# Altium PCB PCB3.PcbDoc (part 1 of 2)
Units mm, origin at the board's own origin, x right, y up, seen from the top; angles counter-clockwise.
Board outline 73.53 x 117.63 mm, 4 copper layers (Top Layer, GROUND, POWER, Bottom Layer), stack 0.603 mm thick; 94 components, 78 nets, 382 pads, 160 vias.
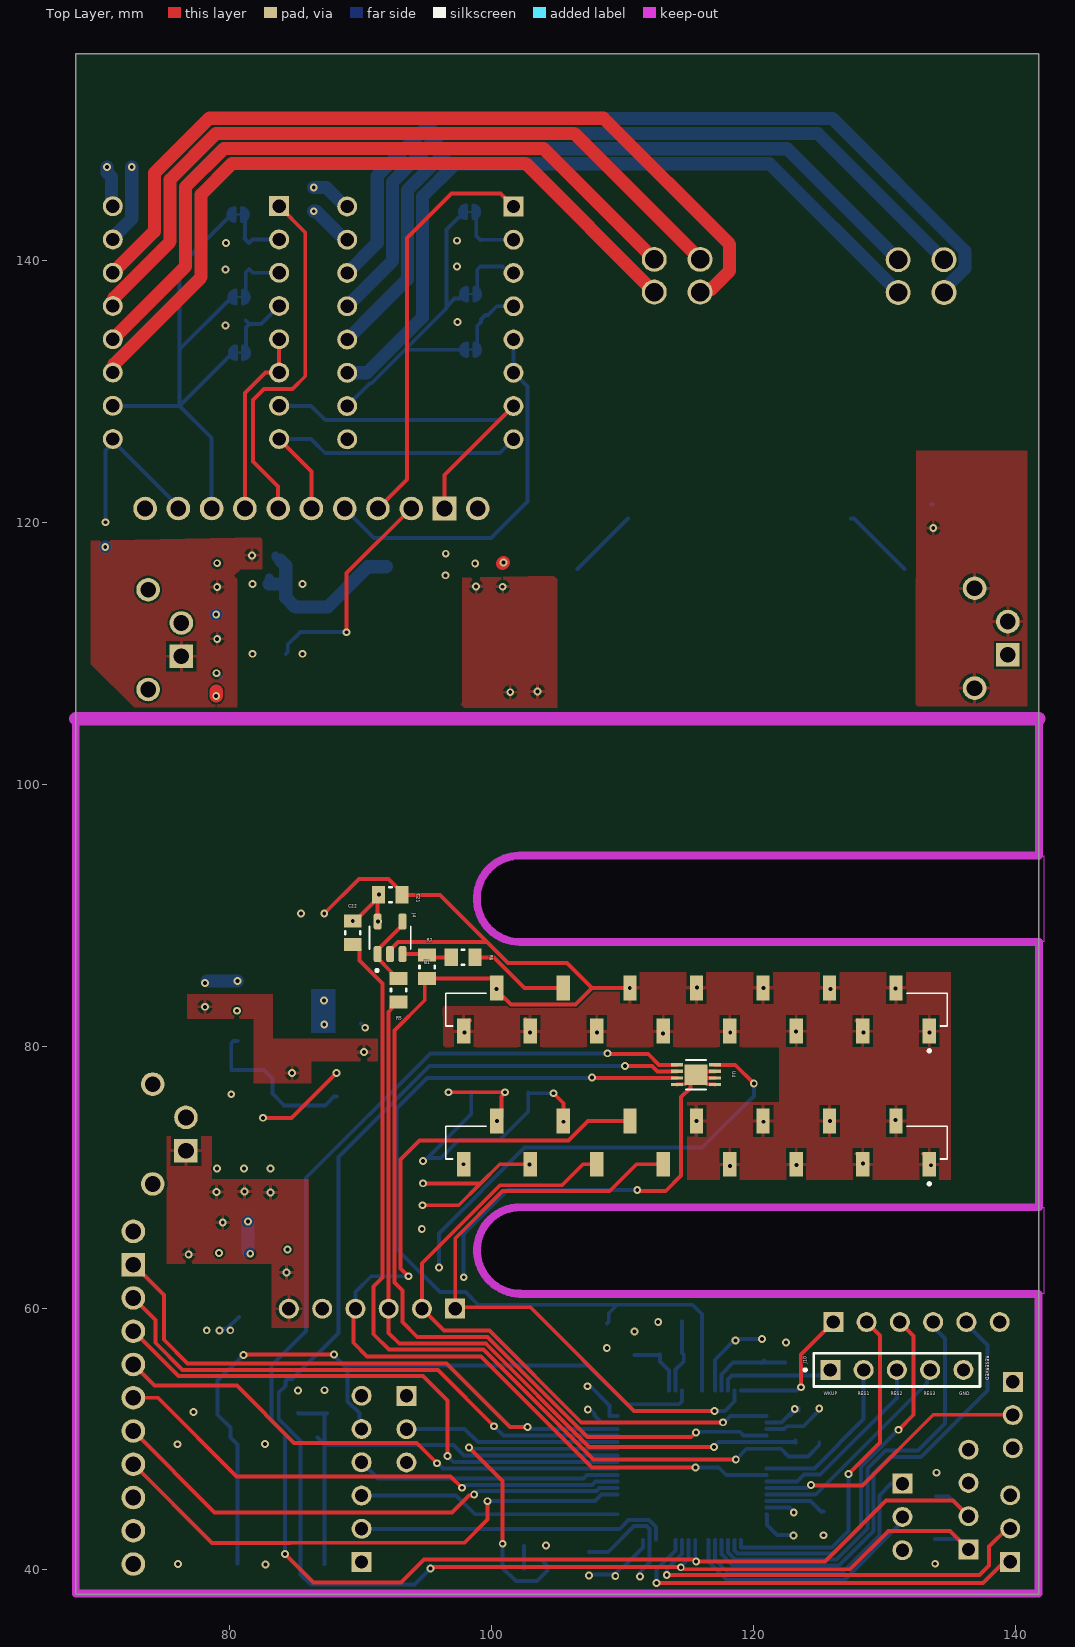
[diagram p0: Top Layer view]
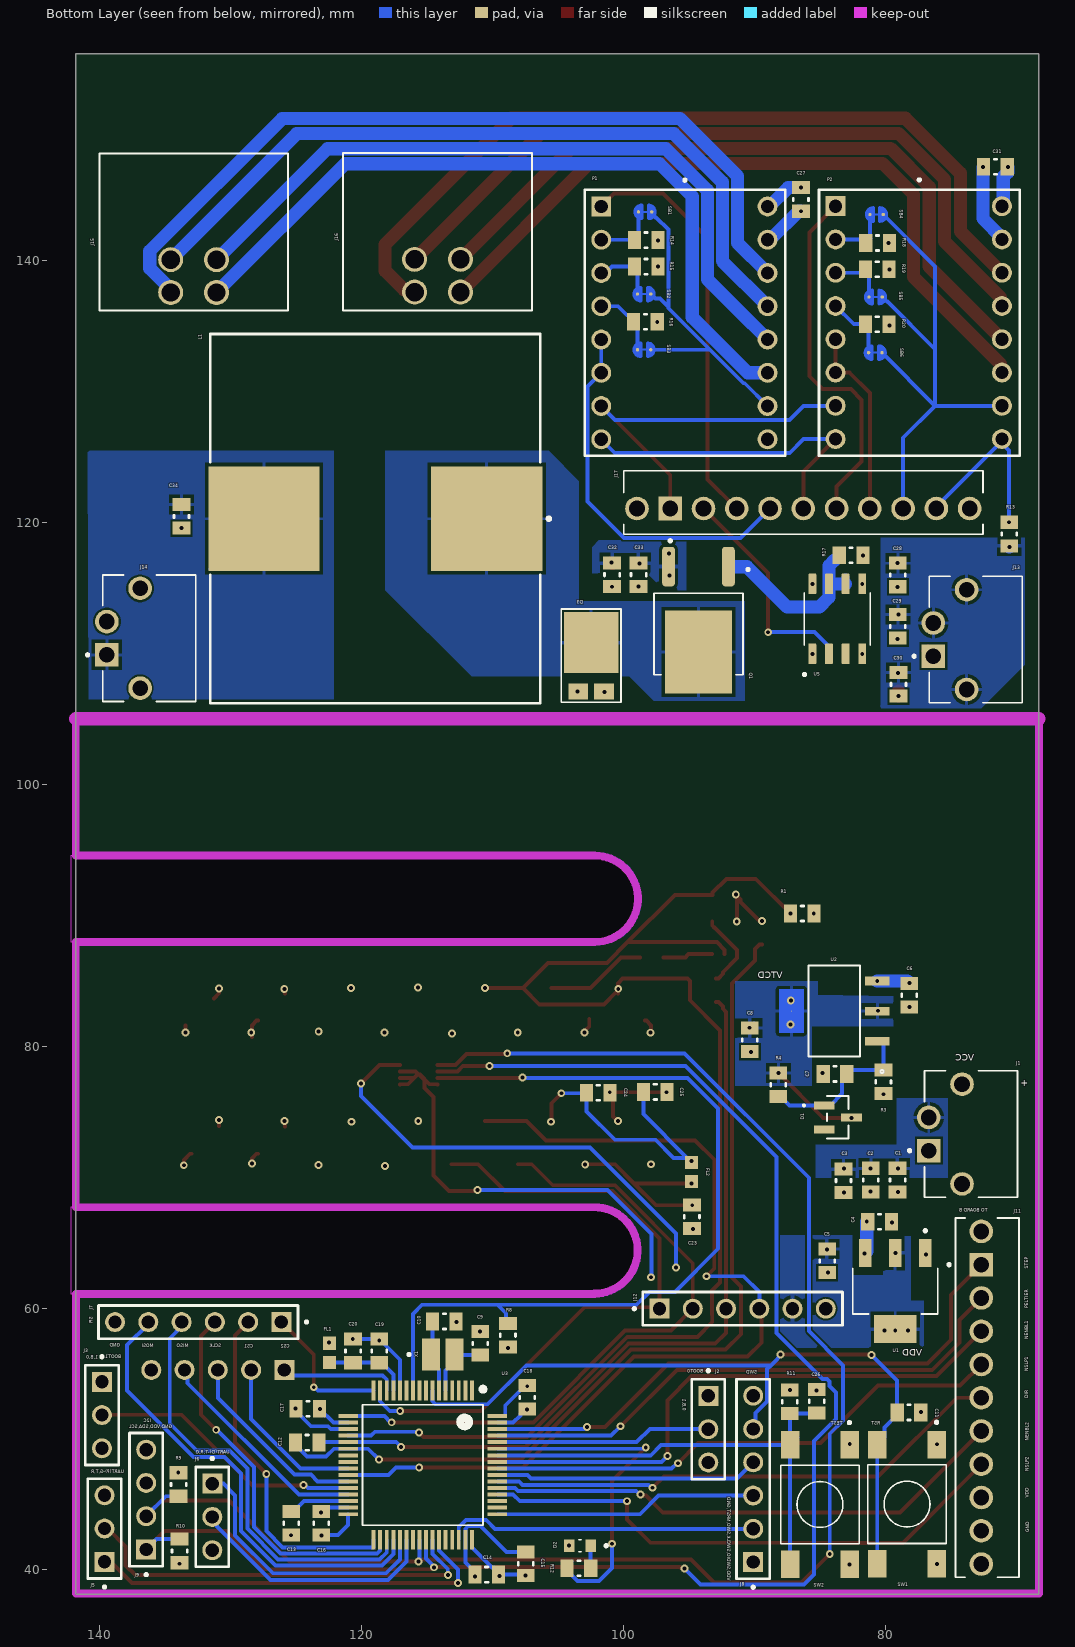
[diagram p1: Bottom Layer view, seen from below]
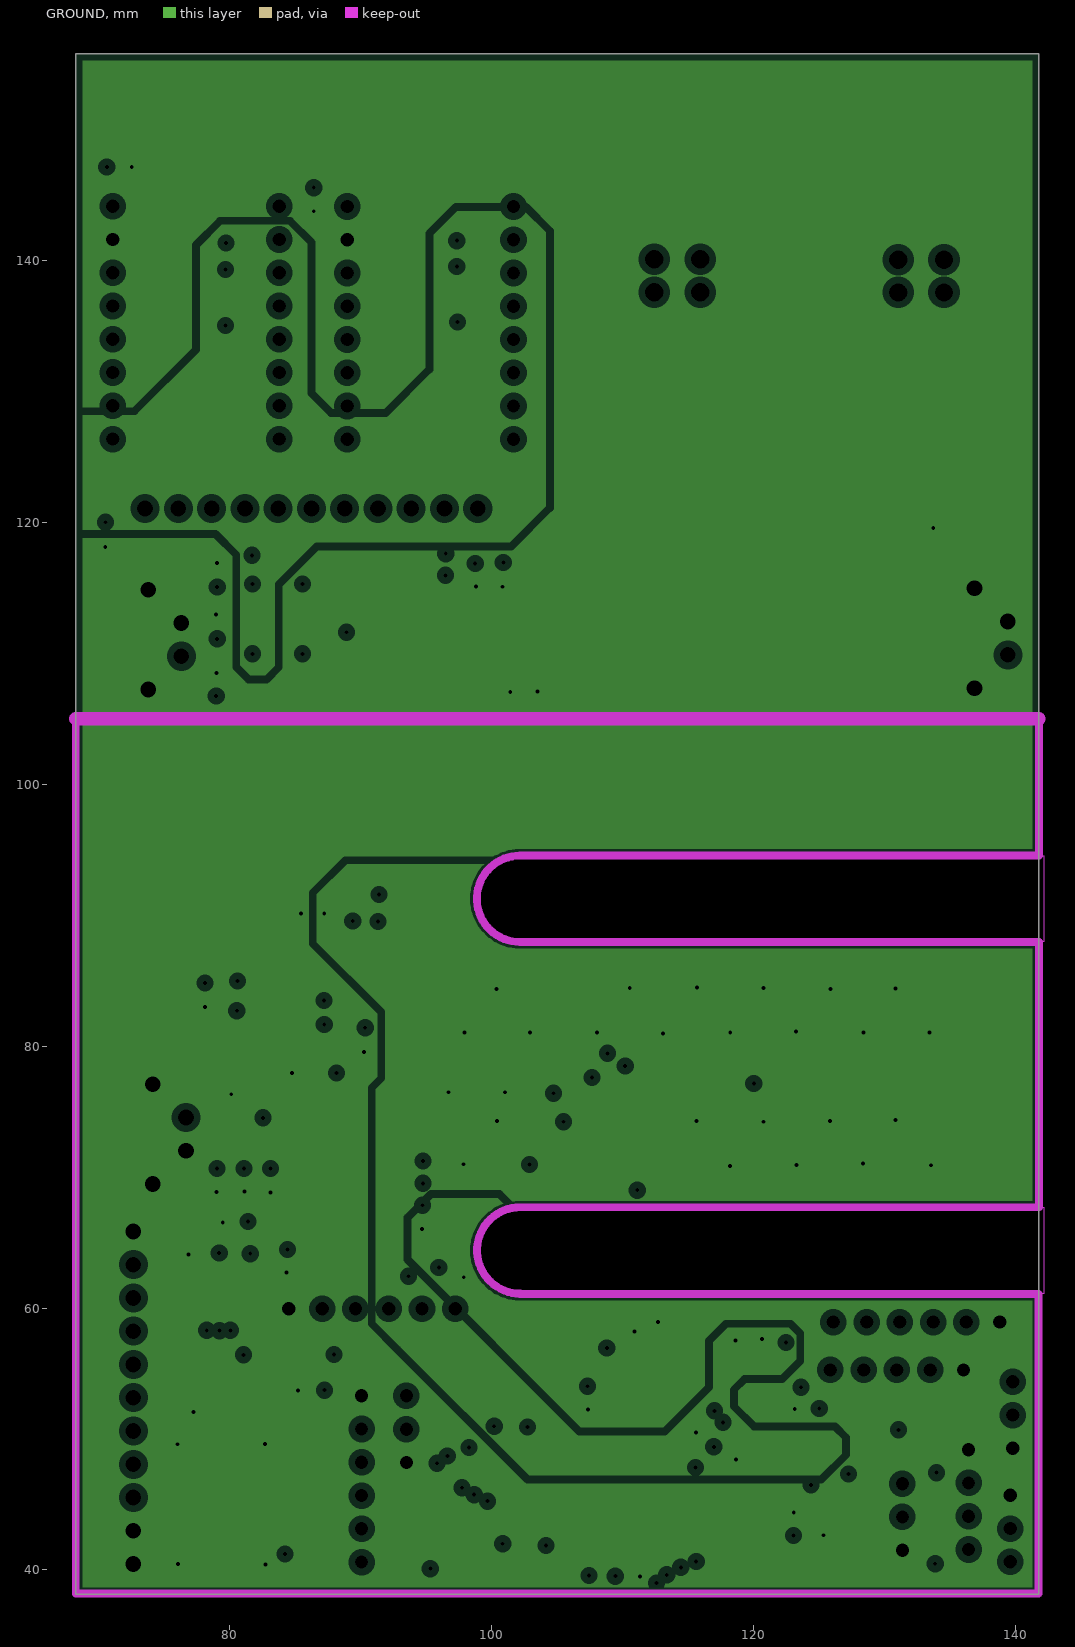
[diagram p2: GROUND, clearances drawn from the general rule]
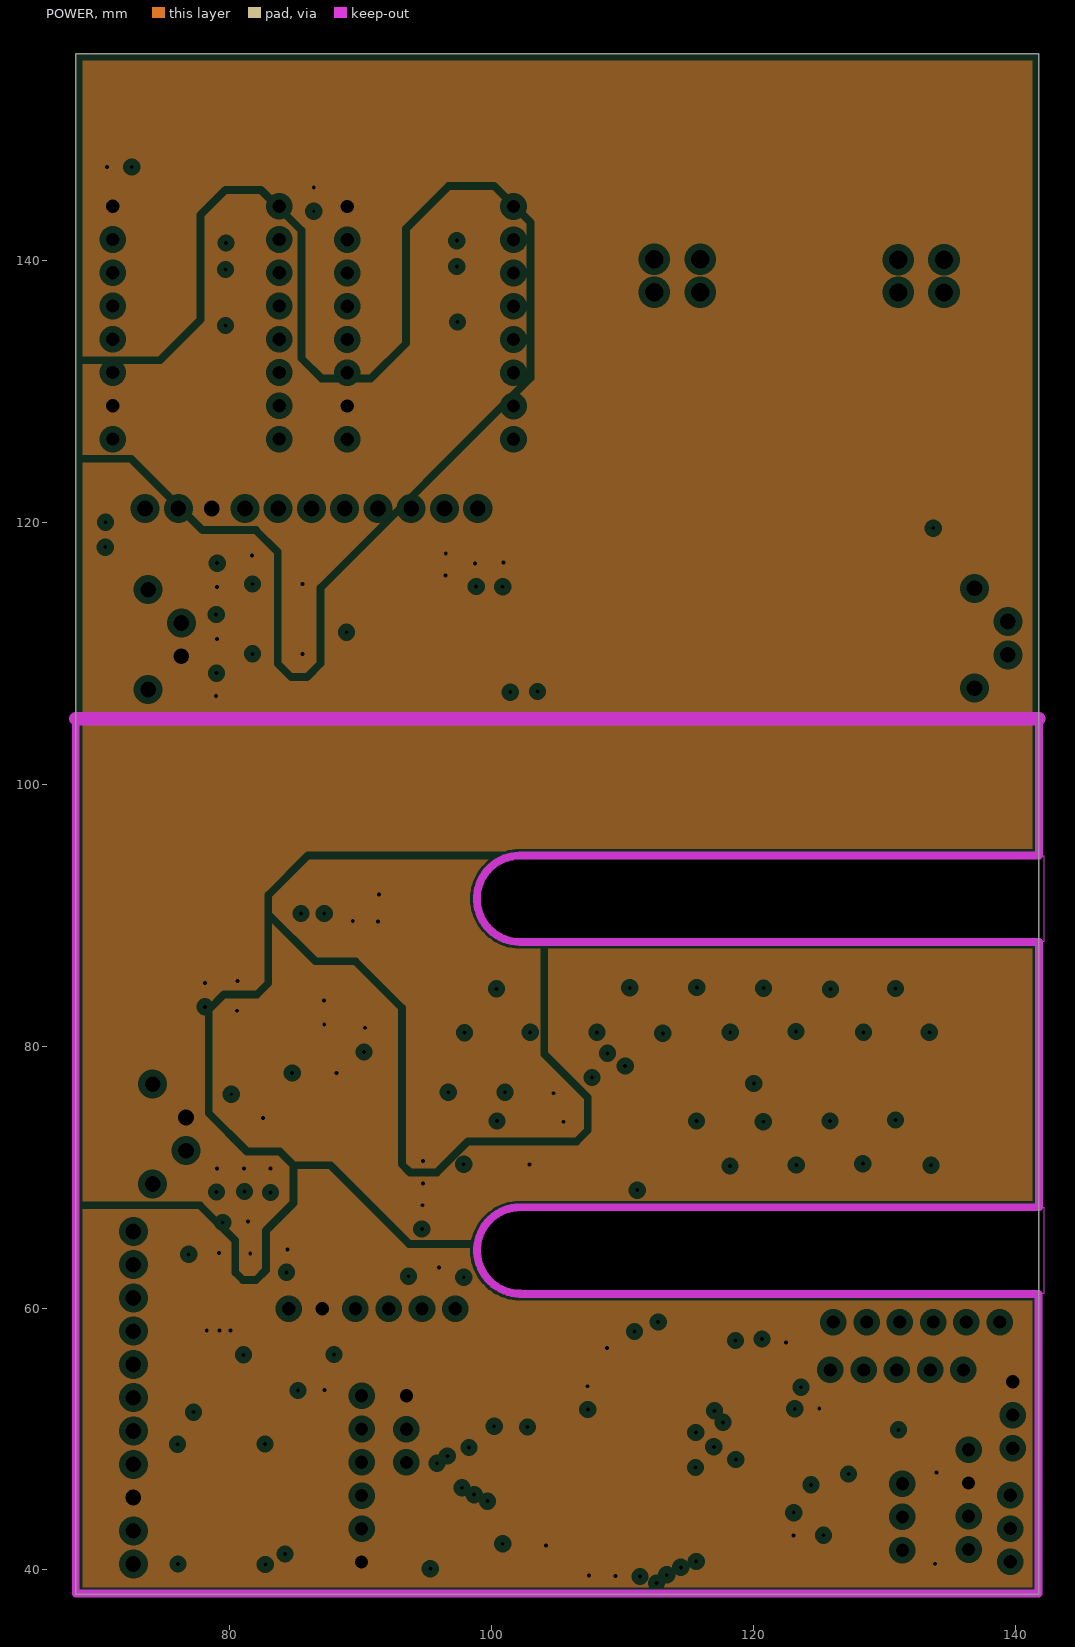
[diagram p3: POWER, clearances drawn from the general rule]

## Layer stack, top to bottom
Top Solder: solder mask 0.0102, Solder Resist, Dk 3.5
Top Layer: signal copper 0.0356
Dielectric 2: prepreg 0.0711, PP-006, Dk 4.1
GROUND: plane copper 0.035, net (Multiple Nets)
Dielectric 1: dielectric 0.32, FR-4, Dk 4.8
POWER: plane copper 0.035, net (Multiple Nets)
Dielectric 3: prepreg 0.0711, PP-006, Dk 4.1
Bottom Layer: signal copper 0.0356
Bottom Solder: solder mask 0.0102, Solder Resist, Dk 3.5

## Board outline
68.267,38.145 141.8,38.145 141.8,155.775 68.267,155.775
cut-out: 102.172,87.951 cw(c102.172,91.251) 102.172,94.551 142.172,94.551 142.172,87.951
cut-out: 102.172,61.081 cw(c102.172,64.381) 102.172,67.681 142.172,67.681 142.172,61.081

## Design rules (kind name [scope] priority, off if disabled: settings)
BoardOutlineClearance [All] p1: gap=0.5 ignorepadtopadclearanceinfootprint=FALSE
Clearance Clearance_Jumper [InComponent('SB*')] p1: gap=0 ignorepadtopadclearanceinfootprint=TRUE
Clearance Clearanse_Temp_Sensor [InComponent('U4')] p2: gap=0.1 ignorepadtopadclearanceinfootprint=FALSE
Clearance Clearance_bridges [All vs InComponent('SB4_MD1') OR InComponent('SB5_MD1') OR InComponent('SB6_MD1') OR InComponent('SB4_MD2') OR InComponent('SB5_MD2') OR InComponent('SB6_MD2')] p3: gap=0.05 ignorepadtopadclearanceinfootprint=FALSE
Clearance [All] p4: gap=0.15 ignorepadtopadclearanceinfootprint=FALSE
PlaneClearance [All] p1: clearance=0.508
PlaneConnect [All] p1: planeconnectstyle=Relief reliefexpansion=0.508 reliefentries=4 reliefconductorwidth=0.254 reliefairgap=0.254
PolygonConnect [All] p1: connectstyle=Relief reliefconductorwidth=0.254 reliefentries=4 polygonreliefangle="90 Angle" airgapwidth=0.254
RoutingVias [All] p1: holewidth=0.6 width=1 viastyle="Through Hole" minholewidth=0.3 minwidth=0.5 maxholewidth=0.3 maxwidth=0.6
ShortCircuit ShortCircuit_bridges [All vs InComponent('SB*')] p1: allowed=TRUE
ShortCircuit [All] p2: allowed=FALSE
SolderMaskExpansion [All] p1: expansion=0.102 istentingtop=FALSE
SupplyNets "Schematic Supply Nets_3" [InNet('PGND2')] p1: voltage=0.000
SupplyNets "Schematic Supply Nets_12" [InNet('VDD2')] p2: voltage=0.000
SupplyNets "Schematic Supply Nets_10" [InNet('GND2')] p3: voltage=0.000
SupplyNets "Schematic Supply Nets_9" [InNet('VBB2')] p4: voltage=0.000
SupplyNets "Schematic Supply Nets_8" [InNet('VTCDA')] p5: voltage=0.000
SupplyNets "Schematic Supply Nets_7" [InNet('VDD')] p6: voltage=0.000
SupplyNets "Schematic Supply Nets_5" [InNet('AGND')] p7: voltage=0.000
SupplyNets "Schematic Supply Nets_4" [InNet('GND')] p8: voltage=0.000
SupplyNets "Schematic Supply Nets_2" [InNet('VDDA')] p9: voltage=0.000
SupplyNets "Schematic Supply Nets_1" [InNet('VCC')] p10: voltage=0.000
SupplyNets "Schematic Supply Nets" [InNet('VTCD')] p11: voltage=0.000
Width Width_bridges [InComponent('SB4_MD1') OR InComponent('SB5_MD1') OR InComponent('SB6_MD1') OR InComponent('SB4_MD2') OR InComponent('SB5_MD2') OR InComponent('SB6_MD2')] p1: maxlimit=0.254 minlimit=0.15 preferedwidth=0.2
Width Width_motores [InNet('VBB')] p2: maxlimit=2 minlimit=0.5 preferedwidth=1
Width [All] p3: maxlimit=1 minlimit=0.2 preferedwidth=0.25
27 further rules are at their usual default settings.

## Classes and differential pairs
component class U_Sensor: B1 C21 C22 C23 C24 C25 J4 R5 R6 R7 R8 U4
component class U_PowerDrivers: C27 C28 C29 C30 C31 C32 C33 C34 D3 J13 J14 J15 J16 J17 L1 P1 P2 Q1 R13 R14 R15 R16 R17 R18 R19 R20 SB1 SB2 SB3 SB4 SB5 SB6 U5
component class U_Power: C1 C2 C3 C4 C5 C6 C7 C8 D1 FL1 FL2 J1 R1 R3 R4 U1 U2
component class U_Out: C26 D2 J5 J6 J7 J8 J9 J10 J11 J12 R9 R10 R11 R12 SW2
component class U_Microcontroller: C9 C10 C11 C12 C13 C14 C15 C16 C17 C18 C19 C20 J2 J3 SW1 U3 X1

## Components (designator, comment, footprint, x,y, rotation, side; value= is the part's Value field where it differs from the comment)
B1 "TCD1304DG_8Z_AW_" SOCKET-15_SMD-HARWIN_M20-7861546 115.607,77.817 r0 top locked
C1 "4.7uF" RES_0805 79.05,69.775 r90 bottom
C2 "100nF" RES_0805 81.1,69.775 r90 bottom
C3 "100pF" RES_0805 83.175,69.725 r90 bottom
C4 "10uF" RES_0805 80.425,66.6 r0 bottom
C5 "10uF" RES_0805 84.425,63.6 r90 bottom
C6 "10uF" RES_0805 78.15,83.875 r90 bottom
C7 "22uF" RES_0805 83.825,77.875 r180 bottom
C8 "10uF" RES_0805 90.325,80.475 r90 bottom
C9 "10pF" RES_0805 110.925,57.3 r270 bottom
C10 "10pF" RES_0805 113.65,58.975 r0 bottom
C11 "100nF" RES_0805 78.175,52.025 r180 bottom
C12 "100pF not mount" RES_0805 124.125,49.725 r180 bottom
C13 "4.7uF" RES_0805 125.336,43.559 r90 bottom
C14 "4.7uF" RES_0805 110.425,39.65 r0 bottom
C15 "100nF" RES_0805 107.45,40.475 r90 bottom
C16 "100nF" RES_0805 123.05,43.559 r90 bottom
C17 "100nF" RES_0805 124.075,52.3 r180 bottom
C18 "100nF" RES_0805 107.325,53.175 r270 bottom
C19 "4.7uF" RES_0805 118.625,56.725 r90 bottom
C20 "100nF" RES_0805 120.625,56.725 r90 bottom
C21 "10uF" RES_0805 92.275,91.55 r0 top
C22 "100nF" RES_0805 89.4,88.65 r270 top
C23 "10uF" RES_0805 94.75,66.975 r270 bottom
C24 "10uF" RES_0805 101.9,76.45 r180 bottom
C25 "100nF" RES_0805 97.55,76.5 r180 bottom
C26 "100nF" RES_0805 85.225,52.875 r90 bottom
C27 "100uF" RES_0805 86.425,144.65 r270 bottom
C28 "4.7uF" RES_0805 79.025,115.975 r270 bottom
C29 "100nF" RES_0805 79.025,112.05 r270 bottom
C30 "100pF" RES_0805 78.975,107.625 r270 bottom
C31 "100uF" RES_0805 71.575,147.15 r0 bottom
C32 "10uF" RES_0805 100.85,116 r90 bottom
C33 "100uF" RES_0805 98.825,116 r90 bottom
C34 "47uF" RES_0805 133.725,120.45 r90 bottom
D1 "BAS40-7-F" SOT-23_DIO-M 83.609,74.56 r270 bottom
D2 "LED" LEDC1608X35N 103.3,41.85 r0 bottom
D3 "DIODE_FSV15150V" FSV15150V_TO-277 102.45,109.825 r270 bottom
FL1 "BEAD" BEADC1608X95N 122.425,56.575 r270 bottom
FL2 "BEAD" BEADC1608X95N 94.775,70.385 r90 bottom
J1 "Phoenix2H_1706207" PHOENIX_1706207 69.885,68.455 r90 bottom
J2 "PIN_HEADER_3" GEN_PIN3 93.5,50.75 r270 bottom
J3 "PIN_HEADER_3" GEN_PIN3 139.8,51.825 r270 bottom
J4 "OPAMP" SOT95P280X145-5N 92.25,88.27 r90 top
J5 "PIN_HEADER_3" GEN_PIN3 139.6,43.16 r90 bottom
J6 "PIN_HEADER_3" GEN_PIN3 131.375,44.05 r270 bottom
J7 "PIN_HEADER_6" GEN_PIN6 132.448,58.926 r0 bottom
J8 "PIN_HEADER_6" GEN_PIN6 90.075,46.95 r90 bottom
J9 "PIN_HEADER_4" GEN_PIN4 136.425,45.375 r90 bottom
J10 "PIN_HEADER_5" GEN_PIN5 130.95,55.275 r0 top
J11 "Phoenix9V_1821465" PHOENIX_1821465 74.62,66.87 r270 bottom
J12 "PIN_HEADER_6" GEN_PIN6 90.875,59.95 r180 bottom
J13 "Phoenix2H_1706207" PHOENIX_1706207 69.535,106.21 r90 bottom
J14 "Phoenix2H_1706207" PHOENIX_1706207 132.645,106.315 r90 bottom
J15 "1787014" CONN4_1787014_PXC 131.05,137.55 r0 bottom
J16 "1787014" CONN4_1787014_PXC 112.425,137.575 r0 bottom
J17 "Phoenix9V_1821465" PHOENIX_1821465 99.965,119.08 r180 bottom
L1 "220μH" WE-HCF_2920 118.925,120.275 r270 bottom
P1 "2x8_PINES" PINES8x2-sep 95.245,135.581 r270 bottom
P2 "2x8_PINES" PINES8x2-sep 77.35,135.6 r270 bottom
Q1 "AOD417" DPAK228P994X240_3N 94.25,112.525 r0 bottom
R1 "0" RES_0805 86.325,90.125 r180 bottom
R3 "220" RES_0805 80.125,77.275 r90 bottom
R4 "100" RES_0805 88.15,77.05 r270 bottom
R5 "100" RES_0805 92.9,84.275 r90 top
R6 "1k" RES_0805 97.825,86.775 r180 top
R7 "10k" RES_0805 95.075,86.05 r270 top
R8 "10k" RES_0805 108.8,57.925 r270 bottom
R9 "10k" RES_0805 133.95,46.525 r90 bottom
R10 "10k" RES_0805 133.875,41.45 r270 bottom
R11 "10k" RES_0805 87.275,52.85 r90 bottom
R12 "330" RES_0805 103.375,40.125 r180 bottom
R13 "0" RES_0805 70.525,119.1 r270 bottom
R14 "10k" RES_0805 98.25,141.55 r0 bottom
R15 "10k" RES_0805 98.25,139.525 r0 bottom
R16 "10k" RES_0805 98.3,135.3 r0 bottom
R17 "10k" RES_0805 82.6,117.475 r0 bottom
R18 "10k" RES_0805 80.575,141.325 r0 bottom
R19 "10k" RES_0805 80.6,139.325 r0 bottom
R20 "10k" RES_0805 80.6,135.125 r0 bottom
SB1 "SolderBridge_Short" SolderBridge_Short#1 98.325,143.7 r0 bottom
SB2 "SolderBridge_Short" SolderBridge_Short#1 98.4,137.425 r0 bottom
SB3 "SolderBridge_Short" SolderBridge_Short#1 98.4,133.175 r0 bottom
SB4 "SolderBridge_Short" SolderBridge_Short#1 80.65,143.5 r0 bottom
SB5 "SolderBridge_Short" SolderBridge_Short#2 80.725,137.2 r0 bottom
SB6 "SolderBridge_Short" SolderBridge_Short#1 80.75,132.95 r0 bottom
SW1 "BOTON" SW_4-1437565-2 78.325,45.025 r270 bottom
SW2 "BOTON" SW_4-1437565-2 84.975,45 r270 bottom
U1 "NCV1117ST33T3G" SOT230P700X180-4N 79.225,61.3 r270 bottom
U2 "NCV1117STAT3G" SOT223-3_ONS-M 83.875,82.675 r90 bottom
U3 "STM32F446RCT6TR" QFP50P1200X1200X160-64N 115.303,48.004 r270 bottom
U4 "MCP9808T-E/MC" DFN8_2x3MC_MCH-M 115.607,77.817 r0 top
U5 "TC4420COA" SOIC127P599X175-8N 83.65,112.625 r90 bottom
X1 "CRISTAL-8M" XTALDFN320X250X100-2N 113.775,56.45 r180 bottom

## Footprints (in the part's own frame and the unit in brackets; to place one, negate y for a bottom-side part, rotate by r counter-clockwise, add the part's x,y. Pads: shape width x height; smd on the part's side, far side on the other; paste and mask are expansions set on the pad)
BEADC1608X95N [mm]
  rect 1x0.97 smd: 1(-0.735,0) 2(0.735,0)
  body extent -0.8,-0.4 0.8,0.4, height 0.95
CONN4_1787014_PXC [mm]
  round 1.905 / inner round 1.524 / far side round 1.905 hole 1.397 paste-2539.97 mask+0: 1(0,0) 2(3.5,0) 3(0,-2.5) 4(3.5,-2.5)
  silkscreen extent -5.45,-10.63 8.95,1.39, body extent -5.25,-10.5 8.75,1.1, height 10.8
DFN8_2x3MC_MCH-M [mm]
  rect 0.908x0.255 smd paste+0 mask+0: 1(-1.445,0.75) 2(-1.445,0.25) 3(-1.445,-0.25) 4(-1.445,-0.75) 5(1.445,-0.75) 6(1.445,-0.25) 7(1.445,0.25) 8(1.445,0.75)
  rect 1.753x1.549 smd paste+0 mask+0: 9(0,0)
  silkscreen extent -0.77,-1.13 0.77,1.13, body extent -1.5,-1 1.5,1, height 0.94
DPAK228P994X240_3N [mm]
  rrect50% 0.97x3.02 smd: 1(-2.286,-4.09) 3(2.286,-4.09)
  rect 5.09x6.32 smd paste-4: 4(0,2.44)
  silkscreen extent -3.89,-3.96 3.4,4.18, body extent -3.3,-4.97 3.3,5.06, height 2.41
FSV15150V_TO-277 [mm]
  rect 1.2x1.5 smd: 1(2.75,0.985) 2(2.75,-0.985)
  rect 4.65x4.15 smd: 3(-1,0)
  silkscreen extent -3.56,-2.29 3.56,2.29, body extent -3.25,-2.22 3.25,2.22, height 1.2
GEN_PIN3 [mil] "Generic 40 mils drill size, 100 mils step"
  rect 60x60 / inner round 60 / far side rect 60x60 hole 40: 01(-100,0)
  round 60 hole 40: 02(0,0) 03(100,0)
  silkscreen extent -180,-50 150,50, body extent -150,-50 150,50, height 337
GEN_PIN4 [mil] "Generic 40 mils drill size, 100 mils step"
  rect 60x60 hole 40: 01(-150,0)
  round 60 hole 40: 02(-50,0) 03(50,0) 04(150,0)
  silkscreen extent -230,-50 200,50, body extent -200,-50 200,50, height 337
GEN_PIN5 [mil] "Generic 40 mils drill size, 100 mils step"
  rect 60x60 hole 40: 01(-200,0)
  round 60 hole 40: 02(-100,0) 03(0,0) 04(100,0) 05(200,0)
  silkscreen extent -280,-50 250,50, body extent -250,-50 250,50, height 337
GEN_PIN6 [mil] "Generic 40 mils drill size, 100 mils step"
  rect 60x60 / inner round 60 / far side rect 60x60 hole 40: 01(-250,0)
  round 60 hole 40: 02(-150,0) 03(-50,0) 04(50,0) 05(150,0) 06(250,0)
  silkscreen extent -330,-50 300,50, body extent -300,-50 300,50, height 337
LEDC1608X35N [mm]
  rect 0.81x0.93 smd: A(0.81,0) C(-0.81,0)
  silkscreen extent -2.1,-0.45 0.09,0.45, body extent -0.8,-0.4 0.8,0.4, height 0.8
PHOENIX_1706207 [mm]
  rect 1.8x1.8 / inner round 1.8 / far side rect 1.8x1.8 hole 1.2: 1(3.56,6.78)
  round 1.8 hole 1.2: 2(6.1,6.78) MH1(1.02,4.24) MH2(8.64,4.24)
  silkscreen extent 0,0 9.66,8.35, body extent 0.04,0 9.71,7.38, height 4.85
PHOENIX_1821465 [mm]
  rect 1.8x1.8 / inner round 1.8 / far side rect 1.8x1.8 hole 1.2: 1(3.56,1.97)
  round 1.8 hole 1.2: 2(6.1,1.97) 3(8.64,1.97) 4(11.18,1.97) 5(13.72,1.97) 6(16.26,1.97) 7(18.8,1.97) 8(21.34,1.97) 9(23.88,1.97) MH1(1.02,1.97) MH2(26.42,1.97)